# Altium PCB ife18_TS_BMS_LTC6813_v2.PcbDoc (part 2 of 3)
Units mm, origin at the board's own origin, x right, y up, seen from the top; angles counter-clockwise.
Board outline 384.85 x 63.15 mm, 4 copper layers (Top Copper, Signal Layer 1, Signal Layer 2, Bottom Copper), stack 1.57 mm thick; 242 components, 189 nets, 694 pads, 270 vias.
Unrouted connection lines stored in the file: 1.
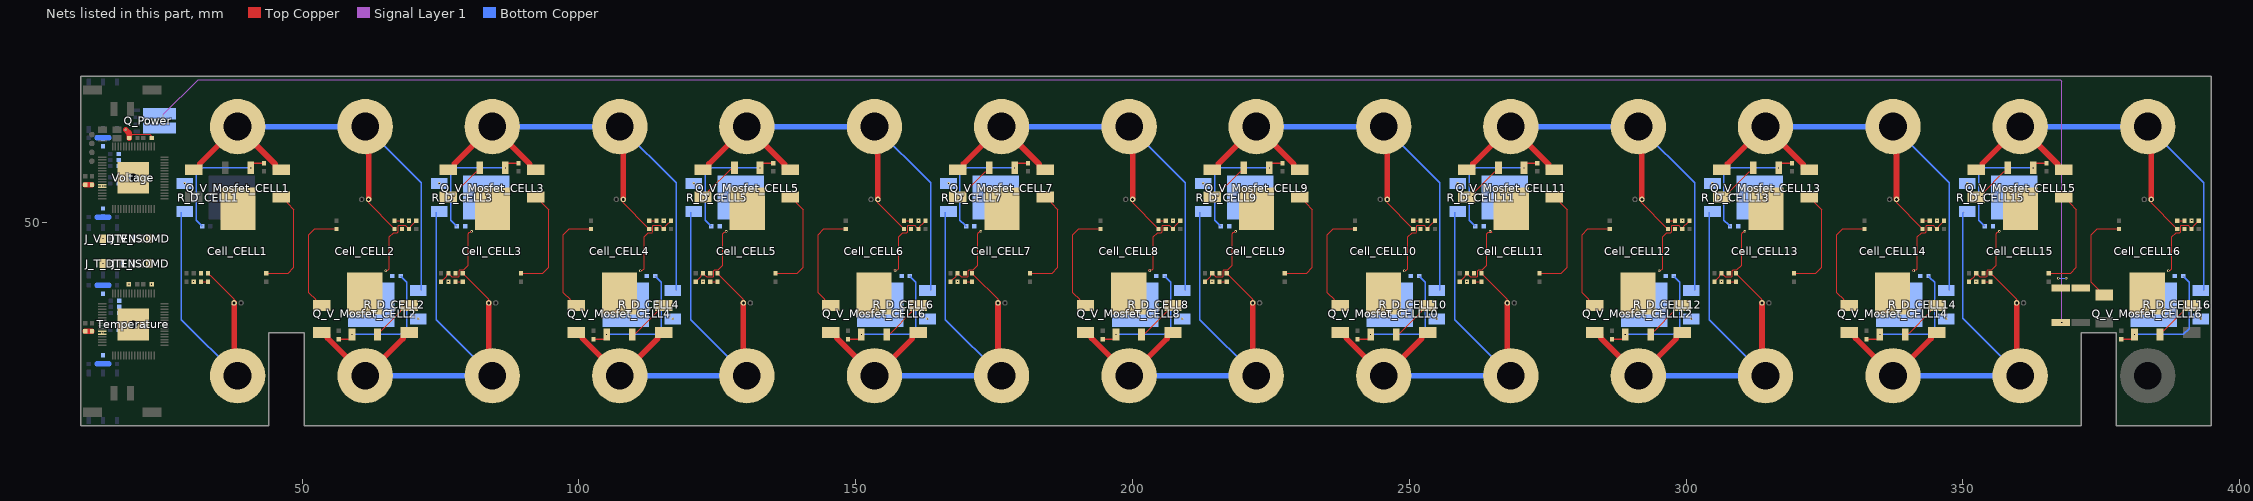
[diagram p4: the nets of this part, all layers, seen from the top]

## Via types
v1: diameter 0.45, hole 0.2, Top Copper to Bottom Copper, 268 vias
v2: diameter 2, hole 1.5, Top Copper to Bottom Copper, 2 vias

## Nets (pads, with @x,y where several pads share a name; then routed paths per layer and width w, separated by ;. In a path a pad name is that pad's centre, name@x,y a point inside that pad or via, vN(x,y) a via of type N, cw(c..) or ccw(c..) an arc to the next point about the centre after c; other vN are vias at no path point) (continued)
F_CELL2: C_V_CELL2.2 F_V_CELL2.1 NTC_Gate_CELL2.2 Q_V_Mosfet_CELL2.3 R_D_CELL2.3 R_Input_CELL2.1 | length 21.9
  Top Copper w0.102: Q_V_Mosfet_CELL2.3@63.6,29.7 63.6,29.844 64.149,30.393 64.293,30.393 67.794,33.894 67.794,34.026 68.723,34.955 F_V_CELL2.1@69.3,34.955 ; v1(65.1,41.2) 65.167,41.267 65.423,41.267 65.751,41.594 65.751,47.325 66.526,48.1 67.2,48.1 67.353,48.253 67.353,49.294 67.452,49.393 68.657,49.393 68.951,49.099 68.976,49.099 69.3,48.775 C_V_CELL2.2@69.3,48.75 69.593,49.043 69.593,49.243 70.251,49.901 70.276,49.901 70.6,50.225 R_Input_CELL2.1@70.6,50.25
  other v1: 68.3,34.9
F_CELL3: C_V_CELL3.2 F_V_CELL3.1 NTC_Gate_CELL3.2 Q_V_Mosfet_CELL3.3 R_D_CELL3.3 R_Input_CELL3.1 | length 21.9
  Top Copper w0.102: R_Input_CELL3.1@75.1,39.25 75.1,39.275 75.424,39.599 75.449,39.599 76.107,40.257 76.107,40.457 C_V_CELL3.2@76.4,40.75 76.4,40.725 76.724,40.401 76.749,40.401 77.043,40.107 78.248,40.107 78.347,40.206 78.347,41.247 78.5,41.4 79.174,41.4 79.999,42.225 79.999,47.906 80.219,48.126 80.332,48.126 80.506,48.3 v1(80.6,48.3) ; F_V_CELL3.1@76.4,54.545 76.977,54.545 77.906,55.474 77.906,55.606 81.407,59.107 81.551,59.107 82.1,59.656 Q_V_Mosfet_CELL3.3@82.1,59.8
  other v1: 77.4,54.6
F_CELL4: C_V_CELL4.2 F_V_CELL4.1 NTC_Gate_CELL4.2 Q_V_Mosfet_CELL4.3 R_D_CELL4.3 R_Input_CELL4.1 | length 21.9
  Top Copper w0.102: Q_V_Mosfet_CELL4.3@109.6,29.7 109.848,29.948 110.293,29.948 114.227,33.882 114.227,34.026 115.156,34.955 F_V_CELL4.1@115.3,34.955 ; v1(111.1,41.2) 111.167,41.267 111.423,41.267 111.751,41.594 111.751,47.325 112.526,48.1 113.2,48.1 113.353,48.253 113.353,49.294 113.452,49.393 114.657,49.393 114.951,49.099 114.976,49.099 115.3,48.775 C_V_CELL4.2@115.3,48.75 115.593,49.043 115.593,49.243 116.251,49.901 116.276,49.901 116.6,50.225 R_Input_CELL4.1@116.6,50.25
  other v1: 114.3,34.9
F_CELL5: C_V_CELL5.2 F_V_CELL5.1 NTC_Gate_CELL5.2 Q_V_Mosfet_CELL5.3 R_D_CELL5.3 R_Input_CELL5.1 | length 21.8
  Top Copper w0.102: R_Input_CELL5.1@121.1,39.25 121.1,39.275 121.424,39.599 121.449,39.599 122.107,40.257 122.107,40.457 C_V_CELL5.2@122.4,40.75 122.4,40.725 122.724,40.401 122.749,40.401 123.043,40.107 124.248,40.107 124.347,40.206 124.347,41.247 124.5,41.4 125.174,41.4 125.999,42.225 125.999,47.906 126.219,48.126 126.332,48.126 126.506,48.3 v1(126.6,48.3) ; F_V_CELL5.1@122.4,54.545 122.544,54.545 123.473,55.474 123.473,55.618 127.407,59.552 127.852,59.552 Q_V_Mosfet_CELL5.3@128.1,59.8
  other v1: 123.4,54.6
F_CELL6: C_V_CELL6.2 F_V_CELL6.1 NTC_Gate_CELL6.2 Q_V_Mosfet_CELL6.3 R_D_CELL6.3 R_Input_CELL6.1 | length 22.5
  Top Copper w0.102: Q_V_Mosfet_CELL6.3@155.6,29.7 155.848,29.948 156.293,29.948 160.227,33.882 160.227,34.026 161.156,34.955 F_V_CELL6.1@161.3,34.955 ; v1(157.1,41.2) 157.1,41.1 156.826,41.374 157.531,41.374 157.751,41.594 157.751,47.325 158.526,48.1 159.2,48.1 159.353,48.253 159.353,49.294 159.452,49.393 160.657,49.393 160.951,49.099 160.976,49.099 161.3,48.775 C_V_CELL6.2@161.3,48.75 161.593,49.043 161.593,49.243 162.251,49.901 162.276,49.901 162.6,50.225 R_Input_CELL6.1@162.6,50.25
  other v1: 160.3,34.9
F_CELL7: C_V_CELL7.2 F_V_CELL7.1 NTC_Gate_CELL7.2 Q_V_Mosfet_CELL7.3 R_D_CELL7.3 R_Input_CELL7.1 | length 21.9
  Top Copper w0.102: R_Input_CELL7.1@167.1,39.25 167.1,39.275 167.424,39.599 167.449,39.599 168.107,40.257 168.107,40.457 C_V_CELL7.2@168.4,40.75 168.4,40.725 168.724,40.401 168.749,40.401 169.043,40.107 170.248,40.107 170.347,40.206 170.347,41.247 170.5,41.4 171.174,41.4 171.999,42.225 171.999,47.906 172.219,48.126 172.332,48.126 172.506,48.3 v1(172.6,48.3) ; F_V_CELL7.1@168.4,54.545 168.977,54.545 169.906,55.474 169.906,55.606 173.407,59.107 173.551,59.107 174.1,59.656 Q_V_Mosfet_CELL7.3@174.1,59.8
  other v1: 169.4,54.6
F_CELL8: C_V_CELL8.2 F_V_CELL8.1 NTC_Gate_CELL8.2 Q_V_Mosfet_CELL8.3 R_D_CELL8.3 R_Input_CELL8.1 | length 22.5
  Top Copper w0.102: Q_V_Mosfet_CELL8.3@201.6,29.7 201.848,29.948 202.293,29.948 206.227,33.882 206.227,34.026 207.156,34.955 F_V_CELL8.1@207.3,34.955 ; v1(203.1,41.2) 203.1,41.1 202.826,41.374 203.531,41.374 203.751,41.594 203.751,47.325 204.526,48.1 205.2,48.1 205.353,48.253 205.353,49.294 205.452,49.393 206.657,49.393 206.951,49.099 206.976,49.099 207.3,48.775 C_V_CELL8.2@207.3,48.75 207.593,49.043 207.593,49.243 208.251,49.901 208.276,49.901 208.6,50.225 R_Input_CELL8.1@208.6,50.25
  other v1: 206.3,34.9
F_CELL9: C_V_CELL9.2 F_V_CELL9.1 NTC_Gate_CELL9.2 Q_V_Mosfet_CELL9.3 R_D_CELL9.3 R_Input_CELL9.1 | length 21.9
  Top Copper w0.102: R_Input_CELL9.1@213.1,39.25 213.1,39.275 213.424,39.599 213.449,39.599 214.107,40.257 214.107,40.457 C_V_CELL9.2@214.4,40.75 214.4,40.725 214.724,40.401 214.749,40.401 215.043,40.107 216.248,40.107 216.347,40.206 216.347,41.247 216.5,41.4 217.174,41.4 217.999,42.225 217.999,47.906 218.219,48.126 218.332,48.126 218.506,48.3 v1(218.6,48.3) ; F_V_CELL9.1@214.4,54.545 214.977,54.545 215.906,55.474 215.906,55.606 219.407,59.107 219.551,59.107 220.1,59.656 Q_V_Mosfet_CELL9.3@220.1,59.8
  other v1: 215.4,54.6
F_CELL10: C_V_CELL10.2 F_V_CELL10.1 NTC_Gate_CELL10.2 Q_V_Mosfet_CELL10.3 R_D_CELL10.3 R_Input_CELL10.1 | length 21.9
  Top Copper w0.102: Q_V_Mosfet_CELL10.3@247.6,29.7 247.848,29.948 248.293,29.948 252.227,33.882 252.227,34.026 253.156,34.955 F_V_CELL10.1@253.3,34.955 ; v1(249.1,41.2) 249.167,41.267 249.423,41.267 249.751,41.594 249.751,47.325 250.526,48.1 251.2,48.1 251.353,48.253 251.353,49.294 251.452,49.393 252.657,49.393 252.951,49.099 252.976,49.099 253.3,48.775 C_V_CELL10.2@253.3,48.75 253.593,49.043 253.593,49.243 254.251,49.901 254.276,49.901 254.6,50.225 R_Input_CELL10.1@254.6,50.25
  other v1: 252.3,34.9
F_CELL11: C_V_CELL11.2 F_V_CELL11.1 NTC_Gate_CELL11.2 Q_V_Mosfet_CELL11.3 R_D_CELL11.3 R_Input_CELL11.1 | length 22.6
  Top Copper w0.102: R_Input_CELL11.1@259.1,39.25 259.1,39.275 259.424,39.599 259.449,39.599 260.107,40.257 260.107,40.457 C_V_CELL11.2@260.4,40.75 260.4,40.725 260.724,40.401 260.749,40.401 261.043,40.107 262.248,40.107 262.347,40.206 262.347,41.247 262.5,41.4 263.174,41.4 263.999,42.225 263.999,47.906 264.219,48.126 264.874,48.126 264.6,48.4 v1(264.6,48.3) ; F_V_CELL11.1@260.4,54.545 260.977,54.545 261.906,55.474 261.906,55.606 265.407,59.107 265.551,59.107 266.1,59.656 Q_V_Mosfet_CELL11.3@266.1,59.8
  other v1: 261.4,54.6
F_CELL12: C_V_CELL12.2 F_V_CELL12.1 NTC_Gate_CELL12.2 Q_V_Mosfet_CELL12.3 R_D_CELL12.3 R_Input_CELL12.1 | length 21.9
  Top Copper w0.102: Q_V_Mosfet_CELL12.3@293.6,29.7 293.6,29.844 294.149,30.393 294.293,30.393 297.794,33.894 297.794,34.026 298.723,34.955 F_V_CELL12.1@299.3,34.955 ; v1(295.1,41.2) 295.167,41.267 295.423,41.267 295.751,41.594 295.751,47.325 296.526,48.1 297.2,48.1 297.353,48.253 297.353,49.294 297.452,49.393 298.657,49.393 298.951,49.099 298.976,49.099 299.3,48.775 C_V_CELL12.2@299.3,48.75 299.593,49.043 299.593,49.243 300.251,49.901 300.276,49.901 300.6,50.225 R_Input_CELL12.1@300.6,50.25
  other v1: 298.3,34.9
F_CELL13: C_V_CELL13.2 F_V_CELL13.1 NTC_Gate_CELL13.2 Q_V_Mosfet_CELL13.3 R_D_CELL13.3 R_Input_CELL13.1 | length 21.9
  Top Copper w0.102: R_Input_CELL13.1@305.1,39.25 305.1,39.275 305.424,39.599 305.449,39.599 306.107,40.257 306.107,40.457 C_V_CELL13.2@306.4,40.75 306.4,40.725 306.724,40.401 306.749,40.401 307.043,40.107 308.248,40.107 308.347,40.206 308.347,41.247 308.5,41.4 309.174,41.4 309.999,42.225 309.999,47.906 310.219,48.126 310.332,48.126 310.506,48.3 v1(310.6,48.3) ; F_V_CELL13.1@306.4,54.545 306.977,54.545 307.906,55.474 307.906,55.606 311.407,59.107 311.551,59.107 312.1,59.656 Q_V_Mosfet_CELL13.3@312.1,59.8
  other v1: 307.4,54.6
F_CELL14: C_V_CELL14.2 F_V_CELL14.1 NTC_Gate_CELL14.2 Q_V_Mosfet_CELL14.3 R_D_CELL14.3 R_Input_CELL14.1 | length 22.3
  Top Copper w0.102: Q_V_Mosfet_CELL14.3@339.6,29.7 339.848,29.948 340.293,29.948 344.227,33.882 344.227,34.026 345.156,34.955 F_V_CELL14.1@345.3,34.955 ; v1(341.1,41.2) 341.1,41.1 340.925,41.275 341.024,41.374 341.531,41.374 341.751,41.594 341.751,47.325 342.526,48.1 343.2,48.1 343.353,48.253 343.353,49.294 343.452,49.393 344.657,49.393 344.951,49.099 344.976,49.099 345.3,48.775 C_V_CELL14.2@345.3,48.75 345.593,49.043 345.593,49.243 346.251,49.901 346.276,49.901 346.6,50.225 R_Input_CELL14.1@346.6,50.25
  other v1: 344.3,34.9
F_CELL15: C_V_CELL15.2 F_V_CELL15.1 NTC_Gate_CELL15.2 Q_V_Mosfet_CELL15.3 R_D_CELL15.3 R_Input_CELL15.1 | length 22
  Top Copper w0.102: R_Input_CELL15.1@351.1,39.25 351.1,39.275 351.424,39.599 351.449,39.599 352.107,40.257 352.107,40.457 C_V_CELL15.2@352.4,40.75 352.4,40.725 352.724,40.401 352.749,40.401 353.043,40.107 354.248,40.107 354.347,40.206 354.347,41.247 354.5,41.4 355.174,41.4 355.999,42.225 355.999,47.906 356.219,48.126 356.326,48.126 356.6,48.4 v1(356.6,48.3) ; F_V_CELL15.1@352.4,54.545 352.977,54.545 353.906,55.474 353.906,55.606 357.407,59.107 357.551,59.107 358.1,59.656 Q_V_Mosfet_CELL15.3@358.1,59.8
  other v1: 353.4,54.6
F_CELL16: C_V_CELL16.2 F_V_CELL16.1 NTC_Gate_CELL16.2 Q_V_Mosfet_CELL16.3 R_D_CELL16.3 R_Input_CELL16.1 | length 21.9
  Top Copper w0.102: Q_V_Mosfet_CELL16.3@385.6,29.7 385.6,29.844 386.149,30.393 386.293,30.393 389.794,33.894 389.794,34.026 390.723,34.955 F_V_CELL16.1@391.3,34.955 ; v1(387.1,41.2) 387.167,41.267 387.423,41.267 387.751,41.594 387.751,47.325 388.526,48.1 389.2,48.1 389.353,48.253 389.353,49.294 389.452,49.393 390.657,49.393 390.951,49.099 390.976,49.099 391.3,48.775 C_V_CELL16.2@391.3,48.75 391.593,49.043 391.593,49.243 392.251,49.901 392.276,49.901 392.6,50.225 R_Input_CELL16.1@392.6,50.25
  other v1: 390.3,34.9
NEG1: C_T0.1 C_T_A.1 C_T_B.1 C_T_VREF1.1 C_T_VREF2.1 C_T_VREG.1 C_V0.1 C_V_A.1 C_V_B.1 C_V_CELL1.1 C_V_CELL2.1 C_V_CELL3.1 C_V_CELL4.1 C_V_CELL5.1 C_V_CELL6.1 C_V_CELL7.1 C_V_CELL8.1 C_V_CELL9.1 C_V_CELL10.1 C_V_CELL11.1 C_V_CELL12.1 C_V_CELL13.1 C_V_CELL14.1 C_V_CELL15.1 C_V_CELL16.1 C_V_VREF1.1 C_V_VREF2.1 C_V_VREG.1 Cell_CELL1.- Cell_CELL1.T- J_T_DTEN.3 J_T_ISOMD.3 J_V_DTEN.3 J_V_ISOMD.3 LED_V_D_CELL1.K R_D_CELL1.1 R_T0.1 R_T_COMP.1 R_V0.1 R_V_COMP.1 Temperature.59 Temperature.60 Temperature.65 Voltage.59 Voltage.60 Voltage.65 | length 62.8
  Top Copper w0.102: C_V0.1@18.7,65.2 18.75,65.25 19.409,65.909 22.416,65.909 22.75,65.575 ; C_V0.1@18.75,64.8 C_V0.1@18.75,65.175 ; C_V_CELL1.1@30.4,39.25 C_V_CELL1.1@30.4,39.275 ; LED_V_D_CELL1.K@33,40.75 33,40.725 33.324,40.401 33.349,40.401 37.7,36.05 Cell_CELL1.T-@37.7,35.4 ; C_V_CELL2.1@69.3,50.225 C_V_CELL2.1@69.3,50.25 ; C_V_CELL3.1@76.4,39.25 C_V_CELL3.1@76.4,39.275 ; C_V_CELL4.1@115.3,50.225 C_V_CELL4.1@115.3,50.25 ; C_V_CELL5.1@122.4,39.25 C_V_CELL5.1@122.4,39.275 ; C_V_CELL6.1@161.3,50.225 C_V_CELL6.1@161.3,50.25 ; C_V_CELL7.1@168.4,39.25 C_V_CELL7.1@168.4,39.275 ; C_V_CELL8.1@207.3,50.225 C_V_CELL8.1@207.3,50.25 ; C_V_CELL9.1@214.4,39.25 C_V_CELL9.1@214.4,39.275 ; C_V_CELL10.1@253.3,50.225 C_V_CELL10.1@253.3,50.25 ; C_V_CELL11.1@260.4,39.25 C_V_CELL11.1@260.4,39.275 ; C_V_CELL12.1@299.3,50.225 C_V_CELL12.1@299.3,50.25 ; C_V_CELL13.1@306.4,39.25 C_V_CELL13.1@306.4,39.275 ; C_V_CELL14.1@345.3,50.225 C_V_CELL14.1@345.3,50.25 ; C_V_CELL15.1@352.4,39.25 C_V_CELL15.1@352.4,39.275 ; C_V_CELL16.1@391.3,50.225 C_V_CELL16.1@391.3,50.25
  Top Copper w1.016: v1(18.15,66.65) 18.75,66.05 18.75,65.25 C_V0.1@18.75,65.175 ; Cell_CELL1.T-@37.7,35.4 37.7,22.875 Cell_CELL1.-@38.325,22.25
  Bottom Copper w0.102: v1(367.25,39.85) v1(368.65,39.85)
  Bottom Copper w0.254: R_D_CELL1.1@28.175,51.775 28.175,32.4 Cell_CELL1.-@38.325,22.25
  other v1: 13.875,30 18.7,38.775 22.8,38.775 30.375,39.25 76.375,39.25 122.375,39.25 168.375,39.25 214.375,39.25 260.375,39.25 306.375,39.25 352.375,39.25 14,42.5 22.324,42.5 14,47 22.324,47 69.325,50.25 115.325,50.25 161.325,50.25 207.325,50.25 253.325,50.25 299.325,50.25 345.325,50.25 391.325,50.25 13.898,56.5
  other v2: 19.5,31.5 19.5,58
NEG2: Cell_CELL1.+ Cell_CELL2.- Cell_CELL2.T- F_T_CELL1.1 F_V_CELL1.2 LED_V_D_CELL2.K R_D_CELL2.1 | length 100.4
  Top Copper w0.102: Cell_CELL2.T-@62,54.1 62,53.45 66.351,49.099 66.376,49.099 66.7,48.775 LED_V_D_CELL2.K@66.7,48.75
  Top Copper w1.016: F_V_CELL1.2@30.4,59.455 30.995,59.455 31.467,59.927 31.467,60.522 38.195,67.25 Cell_CELL1.+@38.325,67.25 45.133,60.442 45.133,59.927 45.605,59.455 F_T_CELL1.1@46.2,59.455 ; Cell_CELL2.-@61.375,67.25 62,66.625 Cell_CELL2.T-@62,54.1
  Bottom Copper w0.254: Cell_CELL2.-@61.375,67.25 71.525,57.1 R_D_CELL2.1@71.525,37.725
  Bottom Copper w1.016: Cell_CELL1.+@38.325,67.25 Cell_CELL2.-@61.375,67.25
NEG3: Cell_CELL2.+ Cell_CELL3.- Cell_CELL3.T- F_T_CELL2.1 F_V_CELL2.2 LED_V_D_CELL3.K R_D_CELL3.1 | length 100.3
  Top Copper w0.102: LED_V_D_CELL3.K@79,40.75 79,40.725 79.324,40.401 79.349,40.401 83.7,36.05 Cell_CELL3.T-@83.7,35.4
  Top Copper w1.016: F_T_CELL2.1@53.5,30.045 54.095,30.045 54.567,29.573 54.567,29.058 Cell_CELL2.+@61.375,22.25 61.505,22.25 68.233,28.978 68.233,29.573 68.705,30.045 F_V_CELL2.2@69.3,30.045 ; Cell_CELL3.T-@83.7,35.4 83.7,22.875 Cell_CELL3.-@84.325,22.25
  Bottom Copper w0.254: R_D_CELL3.1@74.175,51.775 74.175,32.4 Cell_CELL3.-@84.325,22.25
  Bottom Copper w1.016: Cell_CELL2.+@61.375,22.25 Cell_CELL3.-@84.325,22.25
NEG4: Cell_CELL3.+ Cell_CELL4.- Cell_CELL4.T- F_T_CELL3.1 F_V_CELL3.2 LED_V_D_CELL4.K R_D_CELL4.1 | length 100.4
  Top Copper w0.102: Cell_CELL4.T-@108,54.1 108,53.45 112.351,49.099 112.376,49.099 112.7,48.775 LED_V_D_CELL4.K@112.7,48.75
  Top Copper w1.016: F_V_CELL3.2@76.4,59.455 76.995,59.455 77.467,59.927 77.467,60.522 84.195,67.25 Cell_CELL3.+@84.325,67.25 91.133,60.442 91.133,59.927 91.605,59.455 F_T_CELL3.1@92.2,59.455 ; Cell_CELL4.-@107.375,67.25 108,66.625 Cell_CELL4.T-@108,54.1
  Bottom Copper w0.254: Cell_CELL4.-@107.375,67.25 117.525,57.1 R_D_CELL4.1@117.525,37.725
  Bottom Copper w1.016: Cell_CELL3.+@84.325,67.25 Cell_CELL4.-@107.375,67.25
NEG5: Cell_CELL4.+ Cell_CELL5.- Cell_CELL5.T- F_T_CELL4.1 F_V_CELL4.2 LED_V_D_CELL5.K R_D_CELL5.1 | length 100.3
  Top Copper w0.102: LED_V_D_CELL5.K@125,40.75 125,40.725 125.324,40.401 125.349,40.401 129.7,36.05 Cell_CELL5.T-@129.7,35.4
  Top Copper w1.016: F_T_CELL4.1@99.5,30.045 100.095,30.045 100.567,29.573 100.567,29.058 Cell_CELL4.+@107.375,22.25 107.505,22.25 114.233,28.978 114.233,29.573 114.705,30.045 F_V_CELL4.2@115.3,30.045 ; Cell_CELL5.T-@129.7,35.4 129.7,22.875 Cell_CELL5.-@130.325,22.25
  Bottom Copper w0.254: R_D_CELL5.1@120.175,51.775 120.175,32.4 Cell_CELL5.-@130.325,22.25
  Bottom Copper w1.016: Cell_CELL4.+@107.375,22.25 Cell_CELL5.-@130.325,22.25
NEG6: Cell_CELL5.+ Cell_CELL6.- Cell_CELL6.T- F_T_CELL5.1 F_V_CELL5.2 LED_V_D_CELL6.K R_D_CELL6.1 | length 100.4
  Top Copper w0.102: Cell_CELL6.T-@154,54.1 154,53.45 158.351,49.099 158.376,49.099 158.7,48.775 LED_V_D_CELL6.K@158.7,48.75
  Top Copper w1.016: F_V_CELL5.2@122.4,59.455 122.995,59.455 123.467,59.927 123.467,60.522 130.195,67.25 Cell_CELL5.+@130.325,67.25 137.133,60.442 137.133,59.927 137.605,59.455 F_T_CELL5.1@138.2,59.455 ; Cell_CELL6.-@153.375,67.25 154,66.625 Cell_CELL6.T-@154,54.1
  Bottom Copper w0.254: Cell_CELL6.-@153.375,67.25 163.525,57.1 R_D_CELL6.1@163.525,37.725
  Bottom Copper w1.016: Cell_CELL5.+@130.325,67.25 Cell_CELL6.-@153.375,67.25
NEG7: Cell_CELL6.+ Cell_CELL7.- Cell_CELL7.T- F_T_CELL6.1 F_V_CELL6.2 LED_V_D_CELL7.K R_D_CELL7.1 | length 100.3
  Top Copper w0.102: LED_V_D_CELL7.K@171,40.75 171,40.725 171.324,40.401 171.349,40.401 175.7,36.05 Cell_CELL7.T-@175.7,35.4
  Top Copper w1.016: F_T_CELL6.1@145.5,30.045 146.095,30.045 146.567,29.573 146.567,29.058 Cell_CELL6.+@153.375,22.25 153.505,22.25 160.233,28.978 160.233,29.573 160.705,30.045 F_V_CELL6.2@161.3,30.045 ; Cell_CELL7.T-@175.7,35.4 175.7,22.875 Cell_CELL7.-@176.325,22.25
  Bottom Copper w0.254: R_D_CELL7.1@166.175,51.775 166.175,32.4 Cell_CELL7.-@176.325,22.25
  Bottom Copper w1.016: Cell_CELL6.+@153.375,22.25 Cell_CELL7.-@176.325,22.25
NEG8: Cell_CELL7.+ Cell_CELL8.- Cell_CELL8.T- F_T_CELL7.1 F_V_CELL7.2 LED_V_D_CELL8.K R_D_CELL8.1 | length 100.4
  Top Copper w0.102: Cell_CELL8.T-@200,54.1 200,53.45 204.351,49.099 204.376,49.099 204.7,48.775 LED_V_D_CELL8.K@204.7,48.75
  Top Copper w1.016: F_V_CELL7.2@168.4,59.455 168.995,59.455 169.467,59.927 169.467,60.522 176.195,67.25 Cell_CELL7.+@176.325,67.25 183.133,60.442 183.133,59.927 183.605,59.455 F_T_CELL7.1@184.2,59.455 ; Cell_CELL8.-@199.375,67.25 200,66.625 Cell_CELL8.T-@200,54.1
  Bottom Copper w0.254: Cell_CELL8.-@199.375,67.25 209.525,57.1 R_D_CELL8.1@209.525,37.725
  Bottom Copper w1.016: Cell_CELL7.+@176.325,67.25 Cell_CELL8.-@199.375,67.25
NEG9: Cell_CELL8.+ Cell_CELL9.- Cell_CELL9.T- F_T_CELL8.1 F_V_CELL8.2 LED_V_D_CELL9.K R_D_CELL9.1 | length 100.3
  Top Copper w0.102: LED_V_D_CELL9.K@217,40.75 217,40.725 217.324,40.401 217.349,40.401 221.7,36.05 Cell_CELL9.T-@221.7,35.4
  Top Copper w1.016: F_T_CELL8.1@191.5,30.045 192.095,30.045 192.567,29.573 192.567,29.058 Cell_CELL8.+@199.375,22.25 199.505,22.25 206.233,28.978 206.233,29.573 206.705,30.045 F_V_CELL8.2@207.3,30.045 ; Cell_CELL9.T-@221.7,35.4 221.7,22.875 Cell_CELL9.-@222.325,22.25
  Bottom Copper w0.254: R_D_CELL9.1@212.175,51.775 212.175,32.4 Cell_CELL9.-@222.325,22.25
  Bottom Copper w1.016: Cell_CELL8.+@199.375,22.25 Cell_CELL9.-@222.325,22.25
NEG10: Cell_CELL9.+ Cell_CELL10.- Cell_CELL10.T- F_T_CELL9.1 F_V_CELL9.2 LED_V_D_CELL10.K R_D_CELL10.1 | length 100.4
  Top Copper w0.102: Cell_CELL10.T-@246,54.1 246,53.45 250.351,49.099 250.376,49.099 250.7,48.775 LED_V_D_CELL10.K@250.7,48.75
  Top Copper w1.016: F_V_CELL9.2@214.4,59.455 214.995,59.455 215.467,59.927 215.467,60.522 222.195,67.25 Cell_CELL9.+@222.325,67.25 229.133,60.442 229.133,59.927 229.605,59.455 F_T_CELL9.1@230.2,59.455 ; Cell_CELL10.-@245.375,67.25 246,66.625 Cell_CELL10.T-@246,54.1
  Bottom Copper w0.254: Cell_CELL10.-@245.375,67.25 255.525,57.1 R_D_CELL10.1@255.525,37.725
  Bottom Copper w1.016: Cell_CELL9.+@222.325,67.25 Cell_CELL10.-@245.375,67.25
NEG11: Cell_CELL10.+ Cell_CELL11.- Cell_CELL11.T- F_T_CELL10.1 F_V_CELL10.2 LED_V_D_CELL11.K R_D_CELL11.1 | length 100.3
  Top Copper w0.102: LED_V_D_CELL11.K@263,40.75 263,40.725 263.324,40.401 263.349,40.401 267.7,36.05 Cell_CELL11.T-@267.7,35.4
  Top Copper w1.016: F_T_CELL10.1@237.5,30.045 238.095,30.045 238.567,29.573 238.567,29.058 Cell_CELL10.+@245.375,22.25 245.505,22.25 252.233,28.978 252.233,29.573 252.705,30.045 F_V_CELL10.2@253.3,30.045 ; Cell_CELL11.T-@267.7,35.4 267.7,22.875 Cell_CELL11.-@268.325,22.25
  Bottom Copper w0.254: R_D_CELL11.1@258.175,51.775 258.175,32.4 Cell_CELL11.-@268.325,22.25
  Bottom Copper w1.016: Cell_CELL10.+@245.375,22.25 Cell_CELL11.-@268.325,22.25
NEG12: Cell_CELL11.+ Cell_CELL12.- Cell_CELL12.T- F_T_CELL11.1 F_V_CELL11.2 LED_V_D_CELL12.K R_D_CELL12.1 | length 100.4
  Top Copper w0.102: Cell_CELL12.T-@292,54.1 292,53.45 296.351,49.099 296.376,49.099 296.7,48.775 LED_V_D_CELL12.K@296.7,48.75
  Top Copper w1.016: F_V_CELL11.2@260.4,59.455 260.995,59.455 261.467,59.927 261.467,60.522 268.195,67.25 Cell_CELL11.+@268.325,67.25 275.133,60.442 275.133,59.927 275.605,59.455 F_T_CELL11.1@276.2,59.455 ; Cell_CELL12.-@291.375,67.25 292,66.625 Cell_CELL12.T-@292,54.1
  Bottom Copper w0.254: Cell_CELL12.-@291.375,67.25 301.525,57.1 R_D_CELL12.1@301.525,37.725
  Bottom Copper w1.016: Cell_CELL11.+@268.325,67.25 Cell_CELL12.-@291.375,67.25
NEG13: Cell_CELL12.+ Cell_CELL13.- Cell_CELL13.T- F_T_CELL12.1 F_V_CELL12.2 LED_V_D_CELL13.K R_D_CELL13.1 | length 100.3
  Top Copper w0.102: LED_V_D_CELL13.K@309,40.75 309,40.725 309.324,40.401 309.349,40.401 313.7,36.05 Cell_CELL13.T-@313.7,35.4
  Top Copper w1.016: F_T_CELL12.1@283.5,30.045 284.095,30.045 284.567,29.573 284.567,29.058 Cell_CELL12.+@291.375,22.25 291.505,22.25 298.233,28.978 298.233,29.573 298.705,30.045 F_V_CELL12.2@299.3,30.045 ; Cell_CELL13.T-@313.7,35.4 313.7,22.875 Cell_CELL13.-@314.325,22.25
  Bottom Copper w0.254: R_D_CELL13.1@304.175,51.775 304.175,32.4 Cell_CELL13.-@314.325,22.25
  Bottom Copper w1.016: Cell_CELL12.+@291.375,22.25 Cell_CELL13.-@314.325,22.25
NEG14: Cell_CELL13.+ Cell_CELL14.- Cell_CELL14.T- F_T_CELL13.1 F_V_CELL13.2 LED_V_D_CELL14.K R_D_CELL14.1 | length 100.4
  Top Copper w0.102: Cell_CELL14.T-@338,54.1 338,53.45 342.351,49.099 342.376,49.099 342.7,48.775 LED_V_D_CELL14.K@342.7,48.75
  Top Copper w1.016: F_V_CELL13.2@306.4,59.455 306.995,59.455 307.467,59.927 307.467,60.522 314.195,67.25 Cell_CELL13.+@314.325,67.25 321.133,60.442 321.133,59.927 321.605,59.455 F_T_CELL13.1@322.2,59.455 ; Cell_CELL14.-@337.375,67.25 338,66.625 Cell_CELL14.T-@338,54.1
  Bottom Copper w0.254: Cell_CELL14.-@337.375,67.25 347.525,57.1 R_D_CELL14.1@347.525,37.725
  Bottom Copper w1.016: Cell_CELL13.+@314.325,67.25 Cell_CELL14.-@337.375,67.25
NEG15: Cell_CELL14.+ Cell_CELL15.- Cell_CELL15.T- F_T_CELL14.1 F_V_CELL14.2 LED_V_D_CELL15.K R_D_CELL15.1 | length 100.5
  Top Copper w0.102: LED_V_D_CELL15.K@355,40.75 355,40.725 355.324,40.401 355.349,40.401 359.7,36.05 Cell_CELL15.T-@359.7,35.4
  Top Copper w1.016: F_T_CELL14.1@329.5,30.045 330.095,30.045 330.567,29.573 330.567,29.058 Cell_CELL14.+@337.375,22.25 337.505,22.25 344.233,28.978 344.233,29.573 344.705,30.045 F_V_CELL14.2@345.3,30.045 ; Cell_CELL15.T-@359.7,35.4 359.7,22.875 Cell_CELL15.-@360.325,22.25
  Bottom Copper w0.254: R_D_CELL15.1@350.175,51.775 349.988,51.588 349.988,32.587 Cell_CELL15.-@360.325,22.25
  Bottom Copper w1.016: Cell_CELL14.+@337.375,22.25 Cell_CELL15.-@360.325,22.25
NEG16: Cell_CELL15.+ Cell_CELL16.- Cell_CELL16.T- F_T_CELL15.1 F_V_CELL15.2 LED_V_D_CELL16.K R_D_CELL16.1 | length 100.4
  Top Copper w0.102: Cell_CELL16.T-@384,54.1 384,53.45 388.351,49.099 388.376,49.099 388.7,48.775 LED_V_D_CELL16.K@388.7,48.75
  Top Copper w1.016: F_V_CELL15.2@352.4,59.455 352.995,59.455 353.467,59.927 353.467,60.522 360.195,67.25 Cell_CELL15.+@360.325,67.25 367.133,60.442 367.133,59.927 367.605,59.455 F_T_CELL15.1@368.2,59.455 ; Cell_CELL16.-@383.375,67.25 384,66.625 Cell_CELL16.T-@384,54.1
  Bottom Copper w0.254: Cell_CELL16.-@383.375,67.25 393.525,57.1 R_D_CELL16.1@393.525,37.725
  Bottom Copper w1.016: Cell_CELL15.+@360.325,67.25 Cell_CELL16.-@383.375,67.25
NetC_T_A_2: C_T_A.2 R_T_IMA.1 R_T_IPA.1 | length 2.1
  Bottom Copper w1.016: R_T_IPA.1@12.95,38.6 R_T_IMA.1@15.05,38.6
NetC_T_B_2: C_T_B.2 R_T_IMB.1 R_T_IPB.1 | length 2.1
  Bottom Copper w1.016: R_T_IMB.1@12.95,24.375 R_T_IPB.1@15.05,24.375
NetC_V_A_2: C_V_A.2 R_V_IMA.1 R_V_IPA.1 | length 2.1
  Bottom Copper w1.016: R_V_IPA.1@12.95,65.225 R_V_IMA.1@15.05,65.225
NetC_V_B_2: C_V_B.2 R_V_IMB.1 R_V_IPB.1 | length 2.1
  Bottom Copper w1.016: R_V_IPB.1@12.95,50.9 R_V_IMB.1@15.05,50.9
NetF_T_CELL1_2: F_T_CELL1.2 R_T_CELL1.2 | length 19.2
  Top Copper w0.102: R_T_CELL1.2@43.5,40.75 47.45,40.75 48.5,41.8 48.5,52.245 47.273,53.472 47.273,53.616 46.344,54.545 F_T_CELL1.2@46.2,54.545
NetF_T_CELL2_2: F_T_CELL2.2 R_T_CELL2.2 | length 19.2
  Top Copper w0.102: F_T_CELL2.2@53.5,34.955 53.356,34.955 52.427,35.884 52.427,36.028 51.2,37.255 51.2,47.7 52.25,48.75 R_T_CELL2.2@56.2,48.75
NetF_T_CELL3_2: F_T_CELL3.2 R_T_CELL3.2 | length 19.2
  Top Copper w0.102: R_T_CELL3.2@89.5,40.75 93.45,40.75 94.5,41.8 94.5,52.245 93.273,53.472 93.273,53.616 92.344,54.545 F_T_CELL3.2@92.2,54.545
NetF_T_CELL4_2: F_T_CELL4.2 R_T_CELL4.2 | length 19.2
  Top Copper w0.102: F_T_CELL4.2@99.5,34.955 99.356,34.955 98.427,35.884 98.427,36.028 97.2,37.255 97.2,47.7 98.25,48.75 R_T_CELL4.2@102.2,48.75
NetF_T_CELL5_2: F_T_CELL5.2 R_T_CELL5.2 | length 19.2
  Top Copper w0.102: R_T_CELL5.2@135.5,40.75 139.45,40.75 140.5,41.8 140.5,52.245 139.273,53.472 139.273,53.616 138.344,54.545 F_T_CELL5.2@138.2,54.545
NetF_T_CELL6_2: F_T_CELL6.2 R_T_CELL6.2 | length 19.2
  Top Copper w0.102: F_T_CELL6.2@145.5,34.955 145.356,34.955 144.427,35.884 144.427,36.028 143.2,37.255 143.2,47.7 144.25,48.75 R_T_CELL6.2@148.2,48.75
NetF_T_CELL7_2: F_T_CELL7.2 R_T_CELL7.2 | length 19.2
  Top Copper w0.102: R_T_CELL7.2@181.5,40.75 185.45,40.75 186.5,41.8 186.5,52.245 185.273,53.472 185.273,53.616 184.344,54.545 F_T_CELL7.2@184.2,54.545
NetF_T_CELL8_2: F_T_CELL8.2 R_T_CELL8.2 | length 19.2
  Top Copper w0.102: F_T_CELL8.2@191.5,34.955 191.356,34.955 190.427,35.884 190.427,36.028 189.2,37.255 189.2,47.7 190.25,48.75 R_T_CELL8.2@194.2,48.75
NetF_T_CELL9_2: F_T_CELL9.2 R_T_CELL9.2 | length 19.2
  Top Copper w0.102: R_T_CELL9.2@227.5,40.75 231.45,40.75 232.5,41.8 232.5,52.245 231.273,53.472 231.273,53.616 230.344,54.545 F_T_CELL9.2@230.2,54.545
NetF_T_CELL10_2: F_T_CELL10.2 R_T_CELL10.2 | length 19.2
  Top Copper w0.102: F_T_CELL10.2@237.5,34.955 237.356,34.955 236.427,35.884 236.427,36.028 235.2,37.255 235.2,47.7 236.25,48.75 R_T_CELL10.2@240.2,48.75
NetF_T_CELL11_2: F_T_CELL11.2 R_T_CELL11.2 | length 19.2
  Top Copper w0.102: R_T_CELL11.2@273.5,40.75 277.45,40.75 278.5,41.8 278.5,52.245 277.273,53.472 277.273,53.616 276.344,54.545 F_T_CELL11.2@276.2,54.545
NetF_T_CELL12_2: F_T_CELL12.2 R_T_CELL12.2 | length 19.2
  Top Copper w0.102: F_T_CELL12.2@283.5,34.955 283.356,34.955 282.427,35.884 282.427,36.028 281.2,37.255 281.2,47.7 282.25,48.75 R_T_CELL12.2@286.2,48.75
NetF_T_CELL13_2: F_T_CELL13.2 R_T_CELL13.2 | length 19.2
  Top Copper w0.102: R_T_CELL13.2@319.5,40.75 323.45,40.75 324.5,41.8 324.5,52.245 323.273,53.472 323.273,53.616 322.344,54.545 F_T_CELL13.2@322.2,54.545
NetF_T_CELL14_2: F_T_CELL14.2 R_T_CELL14.2 | length 19.2
  Top Copper w0.102: F_T_CELL14.2@329.5,34.955 329.356,34.955 328.427,35.884 328.427,36.028 327.2,37.255 327.2,47.7 328.25,48.75 R_T_CELL14.2@332.2,48.75
NetF_T_CELL15_2: F_T_CELL15.2 R_T_CELL15.2 | length 19.2
  Top Copper w0.102: R_T_CELL15.2@365.5,40.75 369.45,40.75 370.5,41.8 370.5,52.245 369.273,53.472 369.273,53.616 368.344,54.545 F_T_CELL15.2@368.2,54.545
NetF_T_CELL16_2: F_T_CELL16.2 R_T_CELL16.2 | length 17.4
  Top Copper w0.102: F_T_CELL16.2@375.5,36.805 375.356,36.805 374.427,37.734 374.427,37.878 373.2,39.105 373.2,47.7 374.25,48.75 R_T_CELL16.2@378.2,48.75
NetLED_T_ON_K: LED_T_ON.K R_T_ON.2 | length 1.2
  Top Copper w1.016: LED_T_ON.K@10.8,30.25 R_T_ON.2@12,30.25
NetLED_V_D_CELL1_A: LED_V_D_CELL1.A R_V_D_LED_CELL1.2 | length 1.3
  Top Copper w0.102: R_V_D_LED_CELL1.2@31.7,39.25 LED_V_D_CELL1.A@33,39.25
NetLED_V_D_CELL2_A: LED_V_D_CELL2.A R_V_D_LED_CELL2.2 | length 1.3
  Top Copper w0.102: LED_V_D_CELL2.A@66.7,50.25 R_V_D_LED_CELL2.2@68,50.25
NetLED_V_D_CELL3_A: LED_V_D_CELL3.A R_V_D_LED_CELL3.2 | length 1.3
  Top Copper w0.102: R_V_D_LED_CELL3.2@77.7,39.25 LED_V_D_CELL3.A@79,39.25
NetLED_V_D_CELL4_A: LED_V_D_CELL4.A R_V_D_LED_CELL4.2 | length 1.3
  Top Copper w0.102: LED_V_D_CELL4.A@112.7,50.25 R_V_D_LED_CELL4.2@114,50.25
NetLED_V_D_CELL5_A: LED_V_D_CELL5.A R_V_D_LED_CELL5.2 | length 1.3
  Top Copper w0.102: R_V_D_LED_CELL5.2@123.7,39.25 LED_V_D_CELL5.A@125,39.25
NetLED_V_D_CELL6_A: LED_V_D_CELL6.A R_V_D_LED_CELL6.2 | length 1.3
  Top Copper w0.102: LED_V_D_CELL6.A@158.7,50.25 R_V_D_LED_CELL6.2@160,50.25
NetLED_V_D_CELL7_A: LED_V_D_CELL7.A R_V_D_LED_CELL7.2 | length 1.3
  Top Copper w0.102: R_V_D_LED_CELL7.2@169.7,39.25 LED_V_D_CELL7.A@171,39.25
NetLED_V_D_CELL8_A: LED_V_D_CELL8.A R_V_D_LED_CELL8.2 | length 1.3
  Top Copper w0.102: LED_V_D_CELL8.A@204.7,50.25 R_V_D_LED_CELL8.2@206,50.25
NetLED_V_D_CELL9_A: LED_V_D_CELL9.A R_V_D_LED_CELL9.2 | length 1.3
  Top Copper w0.102: R_V_D_LED_CELL9.2@215.7,39.25 LED_V_D_CELL9.A@217,39.25
NetLED_V_D_CELL10_A: LED_V_D_CELL10.A R_V_D_LED_CELL10.2 | length 1.3
  Top Copper w0.102: LED_V_D_CELL10.A@250.7,50.25 R_V_D_LED_CELL10.2@252,50.25
NetLED_V_D_CELL11_A: LED_V_D_CELL11.A R_V_D_LED_CELL11.2 | length 1.3
  Top Copper w0.102: R_V_D_LED_CELL11.2@261.7,39.25 LED_V_D_CELL11.A@263,39.25
NetLED_V_D_CELL12_A: LED_V_D_CELL12.A R_V_D_LED_CELL12.2 | length 1.3
  Top Copper w0.102: LED_V_D_CELL12.A@296.7,50.25 R_V_D_LED_CELL12.2@298,50.25
NetLED_V_D_CELL13_A: LED_V_D_CELL13.A R_V_D_LED_CELL13.2 | length 1.3
  Top Copper w0.102: R_V_D_LED_CELL13.2@307.7,39.25 LED_V_D_CELL13.A@309,39.25
NetLED_V_D_CELL14_A: LED_V_D_CELL14.A R_V_D_LED_CELL14.2 | length 1.3
  Top Copper w0.102: LED_V_D_CELL14.A@342.7,50.25 R_V_D_LED_CELL14.2@344,50.25
NetLED_V_D_CELL15_A: LED_V_D_CELL15.A R_V_D_LED_CELL15.2 | length 1.3
  Top Copper w0.102: R_V_D_LED_CELL15.2@353.7,39.25 LED_V_D_CELL15.A@355,39.25
NetLED_V_D_CELL16_A: LED_V_D_CELL16.A R_V_D_LED_CELL16.2 | length 1.3
  Top Copper w0.102: LED_V_D_CELL16.A@388.7,50.25 R_V_D_LED_CELL16.2@390,50.25
NetLED_V_ON_K: LED_V_ON.K R_V_ON.2 | length 1.2
  Top Copper w1.016: LED_V_ON.K@10.8,56.75 R_V_ON.2@12,56.75
NetNTC_Gate_CELL1_1: NTC_Gate_CELL1.1 Q_V_Mosfet_CELL1.1 R_Gate_CELL1.1 | length 23.2
  Top Copper w0.254: v1(40.7,59.8) 40.7,60.159 41.173,60.632 41.532,60.632 41.55,60.65 R_Gate_CELL1.1@43.1,60.65
  Bottom Copper w0.254: NTC_Gate_CELL1.1@31.925,49.25 31.9,49.25 31.652,49.498 31.652,49.523 30.825,50.35 30.825,58.725 31.9,59.8 v1(40.7,59.8)
NetNTC_Gate_CELL2_1: NTC_Gate_CELL2.1 Q_V_Mosfet_CELL2.1 R_Gate_CELL2.1 | length 23.2
  Top Copper w0.254: R_Gate_CELL2.1@56.6,28.85 58.15,28.85 58.168,28.868 58.527,28.868 59,29.341 v1(59,29.7)
  Bottom Copper w0.254: v1(59,29.7) 67.8,29.7 68.875,30.775 68.875,39.15 68.048,39.977 68.048,40.002 67.8,40.25 NTC_Gate_CELL2.1@67.775,40.25
NetNTC_Gate_CELL3_1: NTC_Gate_CELL3.1 Q_V_Mosfet_CELL3.1 R_Gate_CELL3.1 | length 23.2
  Top Copper w0.254: v1(86.7,59.8) 86.7,60.159 87.173,60.632 87.532,60.632 87.55,60.65 R_Gate_CELL3.1@89.1,60.65
  Bottom Copper w0.254: NTC_Gate_CELL3.1@77.925,49.25 77.9,49.25 77.652,49.498 77.652,49.523 76.825,50.35 76.825,58.725 77.9,59.8 v1(86.7,59.8)
NetNTC_Gate_CELL4_1: NTC_Gate_CELL4.1 Q_V_Mosfet_CELL4.1 R_Gate_CELL4.1 | length 23.2
  Top Copper w0.254: R_Gate_CELL4.1@102.6,28.85 104.15,28.85 104.168,28.868 104.527,28.868 105,29.341 v1(105,29.7)
  Bottom Copper w0.254: v1(105,29.7) 113.8,29.7 114.875,30.775 114.875,39.15 114.048,39.977 114.048,40.002 113.8,40.25 NTC_Gate_CELL4.1@113.775,40.25
NetNTC_Gate_CELL5_1: NTC_Gate_CELL5.1 Q_V_Mosfet_CELL5.1 R_Gate_CELL5.1 | length 23.2
  Top Copper w0.254: v1(132.7,59.8) 132.7,60.159 133.173,60.632 133.532,60.632 133.55,60.65 R_Gate_CELL5.1@135.1,60.65
  Bottom Copper w0.254: NTC_Gate_CELL5.1@123.925,49.25 123.9,49.25 123.652,49.498 123.652,49.523 122.825,50.35 122.825,58.725 123.9,59.8 v1(132.7,59.8)
NetNTC_Gate_CELL6_1: NTC_Gate_CELL6.1 Q_V_Mosfet_CELL6.1 R_Gate_CELL6.1 | length 23.2
  Top Copper w0.254: R_Gate_CELL6.1@148.6,28.85 150.15,28.85 150.168,28.868 150.527,28.868 151,29.341 v1(151,29.7)
  Bottom Copper w0.254: v1(151,29.7) 159.8,29.7 160.875,30.775 160.875,39.15 160.048,39.977 160.048,40.002 159.8,40.25 NTC_Gate_CELL6.1@159.775,40.25
NetNTC_Gate_CELL7_1: NTC_Gate_CELL7.1 Q_V_Mosfet_CELL7.1 R_Gate_CELL7.1 | length 23.2
  Top Copper w0.254: v1(178.7,59.8) 178.7,60.159 179.173,60.632 179.532,60.632 179.55,60.65 R_Gate_CELL7.1@181.1,60.65
  Bottom Copper w0.254: NTC_Gate_CELL7.1@169.925,49.25 169.9,49.25 169.652,49.498 169.652,49.523 168.825,50.35 168.825,58.725 169.9,59.8 v1(178.7,59.8)
NetNTC_Gate_CELL8_1: NTC_Gate_CELL8.1 Q_V_Mosfet_CELL8.1 R_Gate_CELL8.1 | length 23.2
  Top Copper w0.254: R_Gate_CELL8.1@194.6,28.85 196.15,28.85 196.168,28.868 196.527,28.868 197,29.341 v1(197,29.7)
  Bottom Copper w0.254: v1(197,29.7) 205.8,29.7 206.875,30.775 206.875,39.15 206.048,39.977 206.048,40.002 205.8,40.25 NTC_Gate_CELL8.1@205.775,40.25
NetNTC_Gate_CELL9_1: NTC_Gate_CELL9.1 Q_V_Mosfet_CELL9.1 R_Gate_CELL9.1 | length 23.2
  Top Copper w0.254: v1(224.7,59.8) 224.7,60.159 225.173,60.632 225.532,60.632 225.55,60.65 R_Gate_CELL9.1@227.1,60.65
  Bottom Copper w0.254: NTC_Gate_CELL9.1@215.925,49.25 215.9,49.25 215.652,49.498 215.652,49.523 214.825,50.35 214.825,58.725 215.9,59.8 v1(224.7,59.8)
NetNTC_Gate_CELL10_1: NTC_Gate_CELL10.1 Q_V_Mosfet_CELL10.1 R_Gate_CELL10.1 | length 23.2
  Top Copper w0.254: R_Gate_CELL10.1@240.6,28.85 242.15,28.85 242.168,28.868 242.527,28.868 243,29.341 v1(243,29.7)
  Bottom Copper w0.254: v1(243,29.7) 251.8,29.7 252.875,30.775 252.875,39.15 252.048,39.977 252.048,40.002 251.8,40.25 NTC_Gate_CELL10.1@251.775,40.25
NetNTC_Gate_CELL11_1: NTC_Gate_CELL11.1 Q_V_Mosfet_CELL11.1 R_Gate_CELL11.1 | length 23.2
  Top Copper w0.254: v1(270.7,59.8) 270.7,60.159 271.173,60.632 271.532,60.632 271.55,60.65 R_Gate_CELL11.1@273.1,60.65
  Bottom Copper w0.254: NTC_Gate_CELL11.1@261.925,49.25 261.9,49.25 261.652,49.498 261.652,49.523 260.825,50.35 260.825,58.725 261.9,59.8 v1(270.7,59.8)
NetNTC_Gate_CELL12_1: NTC_Gate_CELL12.1 Q_V_Mosfet_CELL12.1 R_Gate_CELL12.1 | length 23.2
  Top Copper w0.254: R_Gate_CELL12.1@286.6,28.85 288.15,28.85 288.168,28.868 288.527,28.868 289,29.341 v1(289,29.7)
  Bottom Copper w0.254: v1(289,29.7) 297.8,29.7 298.875,30.775 298.875,39.15 298.048,39.977 298.048,40.002 297.8,40.25 NTC_Gate_CELL12.1@297.775,40.25
NetNTC_Gate_CELL13_1: NTC_Gate_CELL13.1 Q_V_Mosfet_CELL13.1 R_Gate_CELL13.1 | length 23.2
  Top Copper w0.254: v1(316.7,59.8) 316.7,60.159 317.173,60.632 317.532,60.632 317.55,60.65 R_Gate_CELL13.1@319.1,60.65
  Bottom Copper w0.254: NTC_Gate_CELL13.1@307.925,49.25 307.9,49.25 307.652,49.498 307.652,49.523 306.825,50.35 306.825,58.725 307.9,59.8 v1(316.7,59.8)
NetNTC_Gate_CELL14_1: NTC_Gate_CELL14.1 Q_V_Mosfet_CELL14.1 R_Gate_CELL14.1 | length 23.2
  Top Copper w0.254: R_Gate_CELL14.1@332.6,28.85 334.15,28.85 334.168,28.868 334.527,28.868 335,29.341 v1(335,29.7)
  Bottom Copper w0.254: v1(335,29.7) 343.8,29.7 344.875,30.775 344.875,39.15 344.048,39.977 344.048,40.002 343.8,40.25 NTC_Gate_CELL14.1@343.775,40.25
NetNTC_Gate_CELL15_1: NTC_Gate_CELL15.1 Q_V_Mosfet_CELL15.1 R_Gate_CELL15.1 | length 23.2
  Top Copper w0.254: v1(362.7,59.8) 362.7,60.159 363.173,60.632 363.532,60.632 363.55,60.65 R_Gate_CELL15.1@365.1,60.65
  Bottom Copper w0.254: NTC_Gate_CELL15.1@353.925,49.25 353.9,49.25 353.652,49.498 353.652,49.523 352.825,50.35 352.825,58.725 353.9,59.8 v1(362.7,59.8)
NetNTC_Gate_CELL16_1: NTC_Gate_CELL16.1 Q_V_Mosfet_CELL16.1 R_Gate_CELL16.1 | length 23.2
  Top Copper w0.254: R_Gate_CELL16.1@378.6,28.85 380.15,28.85 380.168,28.868 380.527,28.868 381,29.341 v1(381,29.7)
  Bottom Copper w0.254: v1(381,29.7) 389.8,29.7 390.875,30.775 390.875,39.15 390.048,39.977 390.048,40.002 389.8,40.25 NTC_Gate_CELL16.1@389.775,40.25
NetQ_Power_C: Q_Power.C R_Power_?.1 | length 390.6
  Top Copper w0.102: R_Power_?.1@367.65,31.85 v1(367.85,31.85)
  Signal Layer 1 w0.102: v1(24.9,68.3) 24.9,69.463 31.183,75.746 367.545,75.746 367.85,75.441 367.85,73.4 v1(367.85,31.85)
NetQ_V_Mosfet_CELL1_2: Q_V_Mosfet_CELL1.2 R_D_CELL1.2 R_V_D_LED_CELL1.1
  other v1: 28.75,56.975
NetQ_V_Mosfet_CELL2_2: Q_V_Mosfet_CELL2.2 R_D_CELL2.2 R_V_D_LED_CELL2.1
  other v1: 70.95,32.525
NetQ_V_Mosfet_CELL3_2: Q_V_Mosfet_CELL3.2 R_D_CELL3.2 R_V_D_LED_CELL3.1
  other v1: 74.75,56.975
NetQ_V_Mosfet_CELL4_2: Q_V_Mosfet_CELL4.2 R_D_CELL4.2 R_V_D_LED_CELL4.1
  other v1: 116.95,32.525
NetQ_V_Mosfet_CELL5_2: Q_V_Mosfet_CELL5.2 R_D_CELL5.2 R_V_D_LED_CELL5.1
  other v1: 120.75,56.975
NetQ_V_Mosfet_CELL6_2: Q_V_Mosfet_CELL6.2 R_D_CELL6.2 R_V_D_LED_CELL6.1
  other v1: 162.95,32.525
NetQ_V_Mosfet_CELL7_2: Q_V_Mosfet_CELL7.2 R_D_CELL7.2 R_V_D_LED_CELL7.1
  other v1: 166.75,56.975
NetQ_V_Mosfet_CELL8_2: Q_V_Mosfet_CELL8.2 R_D_CELL8.2 R_V_D_LED_CELL8.1
  other v1: 208.95,32.525
NetQ_V_Mosfet_CELL9_2: Q_V_Mosfet_CELL9.2 R_D_CELL9.2 R_V_D_LED_CELL9.1
  other v1: 212.75,56.975
NetQ_V_Mosfet_CELL10_2: Q_V_Mosfet_CELL10.2 R_D_CELL10.2 R_V_D_LED_CELL10.1
  other v1: 254.95,32.525
NetQ_V_Mosfet_CELL11_2: Q_V_Mosfet_CELL11.2 R_D_CELL11.2 R_V_D_LED_CELL11.1
  other v1: 258.75,56.975
NetQ_V_Mosfet_CELL12_2: Q_V_Mosfet_CELL12.2 R_D_CELL12.2 R_V_D_LED_CELL12.1
  other v1: 300.95,32.525
NetQ_V_Mosfet_CELL13_2: Q_V_Mosfet_CELL13.2 R_D_CELL13.2 R_V_D_LED_CELL13.1
  other v1: 304.75,56.975
NetQ_V_Mosfet_CELL14_2: Q_V_Mosfet_CELL14.2 R_D_CELL14.2 R_V_D_LED_CELL14.1
  other v1: 346.95,32.525
NetQ_V_Mosfet_CELL15_2: Q_V_Mosfet_CELL15.2 R_D_CELL15.2 R_V_D_LED_CELL15.1
  other v1: 350.75,56.975
NetQ_V_Mosfet_CELL16_2: Q_V_Mosfet_CELL16.2 R_D_CELL16.2 R_V_D_LED_CELL16.1
  other v1: 392.95,32.525
NetR_Power_1_1: R_Power_1.1 R_Power_?.2